# KiCad board Eclipse60.kicad_pcb (continued)
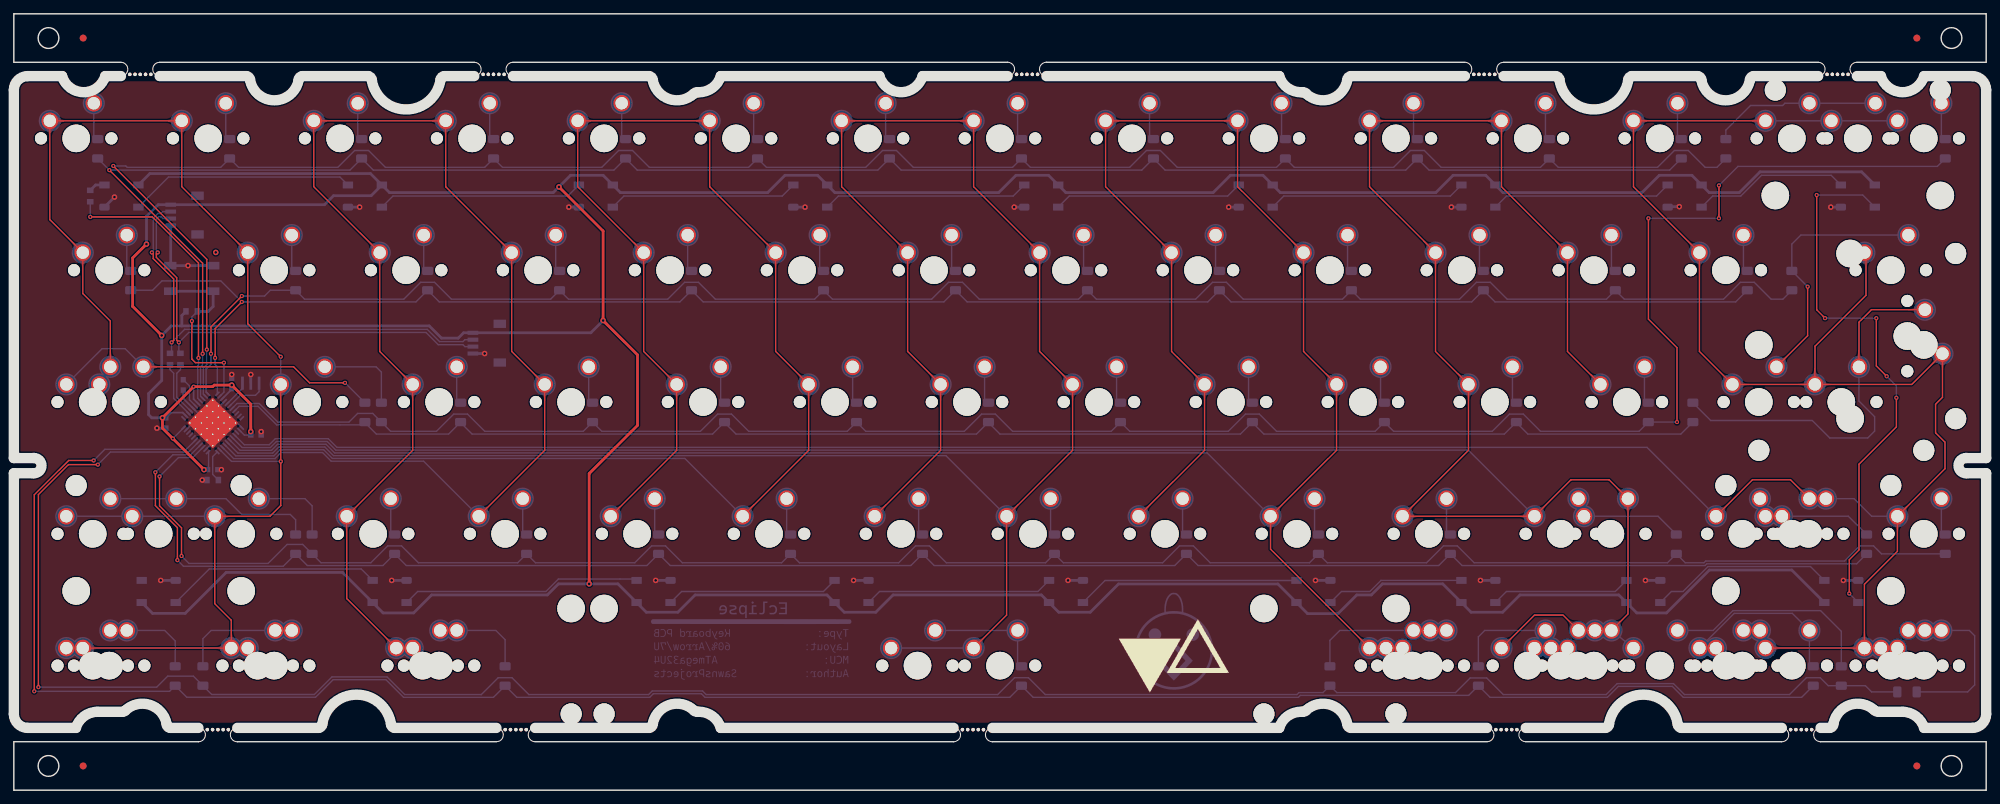
[diagram p0: board, top side]
## Copper pours and planes (outline as drawn; the poured copper is in the pictures) (continued)
Net-(D13-Pad2) on Bottom: 240.24,96.09 240.24,96.23 240.25,96.35 240.26,96.47 240.28,96.58 240.3,96.69 240.33,96.78 240.36,96.87 240.39,96.96 240.43,97.04 240.46,97.11 240.51,97.18 240.55,97.25 240.6,97.32 240.65,97.38 240.7,97.44 240.76,97.5 241.05,97.81 241.11,97.88 241.17,97.95 241.23,98.02 241.29,98.1 241.35,98.18 241.41,98.27 241.47,98.37 241.52,98.47 241.58,98.58 240.14,100.08 238.7,98.58 238.76,98.47 238.81,98.37 238.87,98.27 238.93,98.18 238.99,98.1 239.05,98.02 239.11,97.95 239.17,97.88 239.23,97.81 239.52,97.5 239.58,97.44 239.63,97.38 239.68,97.32 239.73,97.25 239.77,97.18 239.82,97.11 239.85,97.04 239.89,96.96 239.92,96.87 239.95,96.78 239.98,96.69 240,96.58 240.02,96.47 240.03,96.35 240.04,96.23 240.04,96.09
Net-(D13-Pad2) on Bottom: 240.24,96.89 240.24,96.99 240.25,97.09 240.26,97.18 240.27,97.26 240.28,97.34 240.3,97.41 240.32,97.48 240.35,97.54 240.37,97.6 240.4,97.65 240.43,97.71 240.47,97.76 240.5,97.81 240.54,97.86 240.92,98.28 240.96,98.34 241.01,98.4 241.05,98.46 241.09,98.53 241.14,98.6 241.18,98.68 241.22,98.76 240.14,99.88 239.06,98.76 239.1,98.68 239.14,98.6 239.19,98.53 239.23,98.46 239.27,98.4 239.32,98.34 239.36,98.28 239.74,97.86 239.78,97.81 239.81,97.76 239.85,97.71 239.88,97.65 239.91,97.6 239.93,97.54 239.96,97.48 239.98,97.41 240,97.34 240.01,97.26 240.02,97.18 240.03,97.09 240.04,96.99 240.04,96.89
Net-(D14-Pad2) on Bottom: 265.53,99.18 265.66,99.18 265.79,99.17 265.91,99.16 266.02,99.14 266.12,99.12 266.22,99.09 266.31,99.06 266.39,99.03 266.47,98.99 266.55,98.95 266.62,98.91 266.69,98.87 266.75,98.82 266.81,98.77 266.88,98.72 266.94,98.66 267.24,98.37 267.31,98.31 267.38,98.25 267.46,98.19 267.54,98.13 267.62,98.07 267.71,98.01 267.81,97.95 267.91,97.9 268.02,97.84 269.52,99.28 268.02,100.72 267.91,100.66 267.81,100.61 267.71,100.55 267.62,100.49 267.54,100.43 267.46,100.37 267.38,100.31 267.31,100.25 267.24,100.19 266.94,99.9 266.88,99.84 266.81,99.79 266.75,99.74 266.69,99.69 266.62,99.65 266.55,99.6 266.47,99.57 266.39,99.53 266.31,99.5 266.22,99.47 266.12,99.44 266.02,99.42 265.91,99.4 265.79,99.39 265.66,99.38 265.53,99.38
Net-(D14-Pad2) on Bottom: 261.58,99.38 261.48,99.38 261.38,99.39 261.29,99.4 261.21,99.41 261.13,99.42 261.06,99.44 260.99,99.46 260.93,99.49 260.87,99.51 260.82,99.54 260.76,99.57 260.71,99.61 260.66,99.64 260.61,99.68 260.19,100.06 260.13,100.1 260.07,100.15 260.01,100.19 259.94,100.23 259.87,100.28 259.79,100.32 259.71,100.36 258.59,99.28 259.71,98.2 259.79,98.24 259.87,98.28 259.94,98.33 260.01,98.37 260.07,98.41 260.13,98.46 260.19,98.5 260.61,98.88 260.66,98.92 260.71,98.95 260.76,98.99 260.82,99.02 260.87,99.05 260.93,99.07 260.99,99.1 261.06,99.12 261.13,99.14 261.21,99.15 261.29,99.16 261.38,99.17 261.48,99.18 261.58,99.18
Net-(D14-Pad2) on Bottom: 256.8,99.18 256.9,99.18 257,99.17 257.09,99.16 257.17,99.15 257.25,99.14 257.32,99.12 257.39,99.1 257.45,99.07 257.51,99.05 257.56,99.02 257.62,98.99 257.67,98.95 257.72,98.92 257.77,98.88 258.19,98.5 258.25,98.46 258.31,98.41 258.37,98.37 258.44,98.33 258.51,98.28 258.59,98.24 258.67,98.2 259.79,99.28 258.67,100.36 258.59,100.32 258.51,100.28 258.44,100.23 258.37,100.19 258.31,100.15 258.25,100.1 258.19,100.06 257.77,99.68 257.72,99.64 257.67,99.61 257.62,99.57 257.56,99.54 257.51,99.51 257.45,99.49 257.39,99.46 257.32,99.44 257.25,99.42 257.17,99.41 257.09,99.4 257,99.39 256.9,99.38 256.8,99.38
Net-(D14-Pad2) on Bottom: 266.33,99.18 266.43,99.18 266.52,99.17 266.61,99.16 266.69,99.15 266.77,99.14 266.84,99.12 266.91,99.1 266.97,99.07 267.03,99.05 267.09,99.02 267.14,98.99 267.19,98.95 267.24,98.92 267.29,98.88 267.72,98.5 267.77,98.46 267.83,98.41 267.9,98.37 267.96,98.33 268.03,98.28 268.11,98.24 268.19,98.2 269.32,99.28 268.19,100.36 268.11,100.32 268.03,100.28 267.96,100.23 267.9,100.19 267.83,100.15 267.77,100.1 267.72,100.06 267.29,99.68 267.24,99.64 267.19,99.61 267.14,99.57 267.09,99.54 267.03,99.51 266.97,99.49 266.91,99.46 266.84,99.44 266.77,99.42 266.69,99.41 266.61,99.4 266.52,99.39 266.43,99.38 266.33,99.38
Net-(D14-Pad2) on Bottom: 262.38,99.38 262.24,99.38 262.12,99.39 262,99.4 261.89,99.42 261.78,99.44 261.69,99.47 261.6,99.5 261.51,99.53 261.43,99.57 261.36,99.6 261.29,99.65 261.22,99.69 261.15,99.74 261.09,99.79 261.03,99.84 260.97,99.9 260.66,100.19 260.59,100.25 260.52,100.31 260.45,100.37 260.37,100.43 260.28,100.49 260.2,100.55 260.1,100.61 260,100.66 259.89,100.72 258.39,99.28 259.89,97.84 260,97.9 260.1,97.95 260.2,98.01 260.28,98.07 260.37,98.13 260.45,98.19 260.52,98.25 260.59,98.31 260.66,98.37 260.97,98.66 261.03,98.72 261.09,98.77 261.15,98.82 261.22,98.87 261.29,98.91 261.36,98.95 261.43,98.99 261.51,99.03 261.6,99.06 261.69,99.09 261.78,99.12 261.89,99.14 262,99.16 262.12,99.17 262.24,99.18 262.38,99.18
Net-(D14-Pad2) on Bottom: 247.03,95.29 246.59,94.36 247.13,93.8 247.67,94.36 247.23,95.29
Net-(D14-Pad2) on Bottom: 256,99.18 256.14,99.18 256.26,99.17 256.38,99.16 256.49,99.14 256.6,99.12 256.69,99.09 256.78,99.06 256.87,99.03 256.95,98.99 257.02,98.95 257.09,98.91 257.16,98.87 257.23,98.82 257.29,98.77 257.35,98.72 257.41,98.66 257.72,98.37 257.79,98.31 257.86,98.25 257.93,98.19 258.01,98.13 258.1,98.07 258.18,98.01 258.28,97.95 258.38,97.9 258.49,97.84 259.99,99.28 258.49,100.72 258.38,100.66 258.28,100.61 258.18,100.55 258.1,100.49 258.01,100.43 257.93,100.37 257.86,100.31 257.79,100.25 257.72,100.19 257.41,99.9 257.35,99.84 257.29,99.79 257.23,99.74 257.16,99.69 257.09,99.65 257.02,99.6 256.95,99.57 256.87,99.53 256.78,99.5 256.69,99.47 256.6,99.44 256.49,99.42 256.38,99.4 256.26,99.39 256.14,99.38 256,99.38
Net-(D15-Pad2) on Bottom: 278.34,96.89 278.34,96.99 278.35,97.09 278.36,97.18 278.37,97.26 278.38,97.34 278.4,97.41 278.42,97.48 278.45,97.54 278.47,97.6 278.5,97.65 278.53,97.71 278.57,97.76 278.6,97.81 278.64,97.86 279.02,98.28 279.06,98.34 279.11,98.4 279.15,98.46 279.19,98.53 279.24,98.6 279.28,98.68 279.32,98.76 278.24,99.88 277.16,98.76 277.2,98.68 277.24,98.6 277.29,98.53 277.33,98.46 277.37,98.4 277.42,98.34 277.46,98.28 277.84,97.86 277.88,97.81 277.91,97.76 277.95,97.71 277.98,97.65 278.01,97.6 278.03,97.54 278.06,97.48 278.08,97.41 278.1,97.34 278.11,97.26 278.12,97.18 278.13,97.09 278.14,96.99 278.14,96.89
Net-(D15-Pad2) on Bottom: 278.34,96.09 278.34,96.23 278.35,96.35 278.36,96.47 278.38,96.58 278.4,96.69 278.43,96.78 278.46,96.87 278.49,96.96 278.53,97.04 278.56,97.11 278.61,97.18 278.65,97.25 278.7,97.32 278.75,97.38 278.8,97.44 278.86,97.5 279.15,97.81 279.21,97.88 279.27,97.95 279.33,98.02 279.39,98.1 279.45,98.18 279.51,98.27 279.57,98.37 279.62,98.47 279.68,98.58 278.24,100.08 276.8,98.58 276.86,98.47 276.91,98.37 276.97,98.27 277.03,98.18 277.09,98.1 277.15,98.02 277.21,97.95 277.27,97.88 277.33,97.81 277.62,97.5 277.68,97.44 277.73,97.38 277.78,97.32 277.83,97.25 277.87,97.18 277.92,97.11 277.95,97.04 277.99,96.96 278.02,96.87 278.05,96.78 278.08,96.69 278.1,96.58 278.12,96.47 278.13,96.35 278.14,96.23 278.14,96.09
Net-(D16-Pad2) on Bottom: 199.25,22.98 199.37,22.98 199.48,22.97 199.58,22.96 199.68,22.95 199.77,22.93 199.86,22.91 199.93,22.88 200.01,22.85 200.08,22.82 200.14,22.79 200.21,22.75 200.27,22.71 200.32,22.67 200.38,22.63 200.43,22.58 200.81,22.23 200.88,22.18 200.94,22.12 201.01,22.07 201.08,22.02 201.16,21.97 201.24,21.92 201.33,21.87 201.43,21.82 202.74,23.08 201.43,24.34 201.33,24.29 201.24,24.24 201.16,24.19 201.08,24.14 201.01,24.09 200.94,24.03 200.88,23.98 200.81,23.93 200.43,23.58 200.38,23.53 200.32,23.49 200.27,23.45 200.21,23.41 200.14,23.37 200.08,23.34 200.01,23.31 199.93,23.28 199.86,23.25 199.77,23.23 199.68,23.21 199.58,23.2 199.48,23.19 199.37,23.18 199.25,23.18
Net-(D16-Pad2) on Bottom: 199.65,22.98 199.75,22.98 199.85,22.97 199.94,22.96 200.02,22.95 200.1,22.94 200.17,22.92 200.24,22.9 200.3,22.87 200.36,22.85 200.41,22.82 200.47,22.79 200.52,22.75 200.57,22.72 200.62,22.68 201.04,22.3 201.1,22.26 201.16,22.21 201.22,22.17 201.29,22.13 201.36,22.08 201.44,22.04 201.52,22 202.64,23.08 201.52,24.16 201.44,24.12 201.36,24.08 201.29,24.03 201.22,23.99 201.16,23.95 201.1,23.9 201.04,23.86 200.62,23.48 200.57,23.44 200.52,23.41 200.47,23.37 200.41,23.34 200.36,23.31 200.3,23.29 200.24,23.26 200.17,23.24 200.1,23.22 200.02,23.21 199.94,23.2 199.85,23.19 199.75,23.18 199.65,23.18
Net-(D16-Pad2) on Bottom: 189.88,19.09 189.44,18.16 189.98,17.6 190.52,18.16 190.08,19.09
Net-(D17-Pad2) on Bottom: 16.4,77.84 16.4,77.94 16.41,78.04 16.42,78.13 16.43,78.21 16.45,78.29 16.47,78.36 16.49,78.43 16.51,78.49 16.54,78.55 16.57,78.6 16.6,78.66 16.63,78.71 16.66,78.76 16.7,78.81 17.08,79.23 17.12,79.29 17.17,79.35 17.21,79.41 17.26,79.48 17.3,79.55 17.34,79.63 17.38,79.71 16.3,80.83 15.22,79.71 15.26,79.63 15.31,79.55 15.35,79.48 15.39,79.41 15.44,79.35 15.48,79.29 15.53,79.23 15.9,78.81 15.94,78.76 15.98,78.71 16.01,78.66 16.04,78.6 16.07,78.55 16.09,78.49 16.12,78.43 16.14,78.36 16.16,78.29 16.17,78.21 16.19,78.13 16.2,78.04 16.2,77.94 16.2,77.84
Net-(D17-Pad2) on Bottom: 16.4,77.04 16.41,77.18 16.41,77.3 16.43,77.42 16.44,77.53 16.46,77.64 16.49,77.73 16.52,77.82 16.55,77.91 16.59,77.99 16.63,78.06 16.67,78.13 16.72,78.2 16.76,78.27 16.81,78.33 16.87,78.39 16.92,78.45 17.21,78.76 17.27,78.83 17.33,78.9 17.39,78.97 17.45,79.05 17.51,79.13 17.57,79.22 17.63,79.32 17.69,79.42 17.74,79.53 16.3,81.03 14.86,79.53 14.92,79.42 14.98,79.32 15.03,79.22 15.09,79.13 15.15,79.05 15.21,78.97 15.27,78.9 15.33,78.83 15.39,78.76 15.69,78.45 15.74,78.39 15.79,78.33 15.84,78.27 15.89,78.2 15.93,78.13 15.98,78.06 16.02,77.99 16.05,77.91 16.09,77.82 16.12,77.73 16.14,77.64 16.16,77.53 16.18,77.42 16.19,77.3 16.2,77.18 16.2,77.04
Net-(D18-Pad2) on Bottom: 40.22,77.04 40.22,77.18 40.23,77.3 40.24,77.42 40.25,77.53 40.28,77.64 40.3,77.73 40.33,77.82 40.36,77.91 40.4,77.99 40.44,78.06 40.48,78.13 40.53,78.2 40.58,78.27 40.63,78.33 40.68,78.39 40.73,78.45 41.02,78.76 41.08,78.83 41.14,78.9 41.2,78.97 41.26,79.05 41.32,79.13 41.38,79.22 41.44,79.32 41.5,79.42 41.56,79.53 40.12,81.03 38.68,79.53 38.73,79.42 38.79,79.32 38.85,79.22 38.91,79.13 38.97,79.05 39.03,78.97 39.09,78.9 39.15,78.83 39.21,78.76 39.5,78.45 39.55,78.39 39.6,78.33 39.65,78.27 39.7,78.2 39.75,78.13 39.79,78.06 39.83,77.99 39.87,77.91 39.9,77.82 39.93,77.73 39.95,77.64 39.98,77.53 39.99,77.42 40,77.3 40.01,77.18 40.02,77.04
Net-(D18-Pad2) on Bottom: 40.22,77.84 40.22,77.94 40.22,78.04 40.23,78.13 40.24,78.21 40.26,78.29 40.28,78.36 40.3,78.43 40.32,78.49 40.35,78.55 40.38,78.6 40.41,78.66 40.44,78.71 40.48,78.76 40.51,78.81 40.89,79.23 40.94,79.29 40.98,79.35 41.02,79.41 41.07,79.48 41.11,79.55 41.15,79.63 41.2,79.71 40.12,80.83 39.04,79.71 39.08,79.63 39.12,79.55 39.16,79.48 39.21,79.41 39.25,79.35 39.29,79.29 39.34,79.23 39.72,78.81 39.75,78.76 39.79,78.71 39.82,78.66 39.85,78.6 39.88,78.55 39.91,78.49 39.93,78.43 39.95,78.36 39.97,78.29 39.99,78.21 40,78.13 40.01,78.04 40.01,77.94 40.02,77.84
Net-(D19-Pad2) on Bottom: 59.27,77.84 59.27,77.94 59.27,78.04 59.28,78.13 59.29,78.21 59.31,78.29 59.33,78.36 59.35,78.43 59.37,78.49 59.4,78.55 59.43,78.6 59.46,78.66 59.49,78.71 59.53,78.76 59.56,78.81 59.94,79.23 59.99,79.29 60.03,79.35 60.07,79.41 60.12,79.48 60.16,79.55 60.2,79.63 60.25,79.71 59.17,80.83 58.09,79.71 58.13,79.63 58.17,79.55 58.21,79.48 58.26,79.41 58.3,79.35 58.34,79.29 58.39,79.23 58.77,78.81 58.8,78.76 58.84,78.71 58.87,78.66 58.9,78.6 58.93,78.55 58.96,78.49 58.98,78.43 59,78.36 59.02,78.29 59.04,78.21 59.05,78.13 59.06,78.04 59.06,77.94 59.07,77.84
Net-(D19-Pad2) on Bottom: 59.27,77.04 59.27,77.18 59.28,77.3 59.29,77.42 59.3,77.53 59.33,77.64 59.35,77.73 59.38,77.82 59.41,77.91 59.45,77.99 59.49,78.06 59.53,78.13 59.58,78.2 59.63,78.27 59.68,78.33 59.73,78.39 59.78,78.45 60.07,78.76 60.13,78.83 60.19,78.9 60.25,78.97 60.31,79.05 60.37,79.13 60.43,79.22 60.49,79.32 60.55,79.42 60.61,79.53 59.17,81.03 57.73,79.53 57.78,79.42 57.84,79.32 57.9,79.22 57.96,79.13 58.02,79.05 58.08,78.97 58.14,78.9 58.2,78.83 58.26,78.76 58.55,78.45 58.6,78.39 58.65,78.33 58.7,78.27 58.75,78.2 58.8,78.13 58.84,78.06 58.88,77.99 58.92,77.91 58.95,77.82 58.98,77.73 59,77.64 59.03,77.53 59.04,77.42 59.05,77.3 59.06,77.18 59.07,77.04
Net-(D20-Pad2) on Bottom: 78.32,77.04 78.32,77.18 78.33,77.3 78.34,77.42 78.35,77.53 78.38,77.64 78.4,77.73 78.43,77.82 78.46,77.91 78.5,77.99 78.54,78.06 78.58,78.13 78.63,78.2 78.68,78.27 78.73,78.33 78.78,78.39 78.83,78.45 79.12,78.76 79.18,78.83 79.24,78.9 79.3,78.97 79.36,79.05 79.42,79.13 79.48,79.22 79.54,79.32 79.6,79.42 79.66,79.53 78.22,81.03 76.78,79.53 76.83,79.42 76.89,79.32 76.95,79.22 77.01,79.13 77.07,79.05 77.13,78.97 77.19,78.9 77.25,78.83 77.31,78.76 77.6,78.45 77.65,78.39 77.7,78.33 77.75,78.27 77.8,78.2 77.85,78.13 77.89,78.06 77.93,77.99 77.97,77.91 78,77.82 78.03,77.73 78.05,77.64 78.08,77.53 78.09,77.42 78.1,77.3 78.11,77.18 78.12,77.04
Net-(D20-Pad2) on Bottom: 78.32,77.84 78.32,77.94 78.32,78.04 78.33,78.13 78.34,78.21 78.36,78.29 78.38,78.36 78.4,78.43 78.42,78.49 78.45,78.55 78.48,78.6 78.51,78.66 78.54,78.71 78.58,78.76 78.61,78.81 78.99,79.23 79.04,79.29 79.08,79.35 79.12,79.41 79.17,79.48 79.21,79.55 79.25,79.63 79.3,79.71 78.22,80.83 77.14,79.71 77.18,79.63 77.22,79.55 77.26,79.48 77.31,79.41 77.35,79.35 77.39,79.29 77.44,79.23 77.82,78.81 77.85,78.76 77.89,78.71 77.92,78.66 77.95,78.6 77.98,78.55 78.01,78.49 78.03,78.43 78.05,78.36 78.07,78.29 78.09,78.21 78.1,78.13 78.11,78.04 78.11,77.94 78.12,77.84
Net-(D21-Pad2) on Bottom: 97.37,77.04 97.37,77.18 97.38,77.3 97.39,77.42 97.4,77.53 97.43,77.64 97.45,77.73 97.48,77.82 97.51,77.91 97.55,77.99 97.59,78.06 97.63,78.13 97.68,78.2 97.73,78.27 97.78,78.33 97.83,78.39 97.88,78.45 98.17,78.76 98.23,78.83 98.29,78.9 98.35,78.97 98.41,79.05 98.47,79.13 98.53,79.22 98.59,79.32 98.65,79.42 98.71,79.53 97.27,81.03 95.83,79.53 95.88,79.42 95.94,79.32 96,79.22 96.06,79.13 96.12,79.05 96.18,78.97 96.24,78.9 96.3,78.83 96.36,78.76 96.65,78.45 96.7,78.39 96.75,78.33 96.8,78.27 96.85,78.2 96.9,78.13 96.94,78.06 96.98,77.99 97.02,77.91 97.05,77.82 97.08,77.73 97.1,77.64 97.13,77.53 97.14,77.42 97.15,77.3 97.16,77.18 97.17,77.04
Net-(D21-Pad2) on Bottom: 97.37,77.84 97.37,77.94 97.37,78.04 97.38,78.13 97.39,78.21 97.41,78.29 97.43,78.36 97.45,78.43 97.47,78.49 97.5,78.55 97.53,78.6 97.56,78.66 97.59,78.71 97.63,78.76 97.66,78.81 98.04,79.23 98.09,79.29 98.13,79.35 98.17,79.41 98.22,79.48 98.26,79.55 98.3,79.63 98.35,79.71 97.27,80.83 96.19,79.71 96.23,79.63 96.27,79.55 96.31,79.48 96.36,79.41 96.4,79.35 96.44,79.29 96.49,79.23 96.87,78.81 96.9,78.76 96.94,78.71 96.97,78.66 97,78.6 97.03,78.55 97.06,78.49 97.08,78.43 97.1,78.36 97.12,78.29 97.14,78.21 97.15,78.13 97.16,78.04 97.16,77.94 97.17,77.84
Net-(D22-Pad2) on Bottom: 116.42,77.84 116.42,77.94 116.42,78.04 116.43,78.13 116.44,78.21 116.46,78.29 116.48,78.36 116.5,78.43 116.52,78.49 116.55,78.55 116.58,78.6 116.61,78.66 116.64,78.71 116.68,78.76 116.71,78.81 117.09,79.23 117.14,79.29 117.18,79.35 117.22,79.41 117.27,79.48 117.31,79.55 117.35,79.63 117.4,79.71 116.32,80.83 115.24,79.71 115.28,79.63 115.32,79.55 115.36,79.48 115.41,79.41 115.45,79.35 115.49,79.29 115.54,79.23 115.92,78.81 115.95,78.76 115.99,78.71 116.02,78.66 116.05,78.6 116.08,78.55 116.11,78.49 116.13,78.43 116.15,78.36 116.17,78.29 116.19,78.21 116.2,78.13 116.21,78.04 116.21,77.94 116.22,77.84
Net-(D22-Pad2) on Bottom: 116.42,77.04 116.42,77.18 116.43,77.3 116.44,77.42 116.45,77.53 116.48,77.64 116.5,77.73 116.53,77.82 116.56,77.91 116.6,77.99 116.64,78.06 116.68,78.13 116.73,78.2 116.78,78.27 116.83,78.33 116.88,78.39 116.93,78.45 117.22,78.76 117.28,78.83 117.34,78.9 117.4,78.97 117.46,79.05 117.52,79.13 117.58,79.22 117.64,79.32 117.7,79.42 117.76,79.53 116.32,81.03 114.88,79.53 114.93,79.42 114.99,79.32 115.05,79.22 115.11,79.13 115.17,79.05 115.23,78.97 115.29,78.9 115.35,78.83 115.41,78.76 115.7,78.45 115.75,78.39 115.8,78.33 115.85,78.27 115.9,78.2 115.95,78.13 115.99,78.06 116.03,77.99 116.07,77.91 116.1,77.82 116.13,77.73 116.15,77.64 116.18,77.53 116.19,77.42 116.2,77.3 116.21,77.18 116.22,77.04
Net-(D23-Pad2) on Bottom: 135.47,77.84 135.47,77.94 135.47,78.04 135.48,78.13 135.49,78.21 135.51,78.29 135.53,78.36 135.55,78.43 135.57,78.49 135.6,78.55 135.63,78.6 135.66,78.66 135.69,78.71 135.73,78.76 135.76,78.81 136.14,79.23 136.19,79.29 136.23,79.35 136.27,79.41 136.32,79.48 136.36,79.55 136.4,79.63 136.45,79.71 135.37,80.83 134.29,79.71 134.33,79.63 134.37,79.55 134.41,79.48 134.46,79.41 134.5,79.35 134.54,79.29 134.59,79.23 134.97,78.81 135,78.76 135.04,78.71 135.07,78.66 135.1,78.6 135.13,78.55 135.16,78.49 135.18,78.43 135.2,78.36 135.22,78.29 135.24,78.21 135.25,78.13 135.26,78.04 135.26,77.94 135.27,77.84
Net-(D23-Pad2) on Bottom: 135.47,77.04 135.47,77.18 135.48,77.3 135.49,77.42 135.5,77.53 135.53,77.64 135.55,77.73 135.58,77.82 135.61,77.91 135.65,77.99 135.69,78.06 135.73,78.13 135.78,78.2 135.83,78.27 135.88,78.33 135.93,78.39 135.98,78.45 136.27,78.76 136.33,78.83 136.39,78.9 136.45,78.97 136.51,79.05 136.57,79.13 136.63,79.22 136.69,79.32 136.75,79.42 136.81,79.53 135.37,81.03 133.93,79.53 133.98,79.42 134.04,79.32 134.1,79.22 134.16,79.13 134.22,79.05 134.28,78.97 134.34,78.9 134.4,78.83 134.46,78.76 134.75,78.45 134.8,78.39 134.85,78.33 134.9,78.27 134.95,78.2 135,78.13 135.04,78.06 135.08,77.99 135.12,77.91 135.15,77.82 135.18,77.73 135.2,77.64 135.23,77.53 135.24,77.42 135.25,77.3 135.26,77.18 135.27,77.04
Net-(D24-Pad2) on Bottom: 154.52,77.04 154.52,77.18 154.53,77.3 154.54,77.42 154.55,77.53 154.58,77.64 154.6,77.73 154.63,77.82 154.66,77.91 154.7,77.99 154.74,78.06 154.78,78.13 154.83,78.2 154.88,78.27 154.93,78.33 154.98,78.39 155.03,78.45 155.32,78.76 155.38,78.83 155.44,78.9 155.5,78.97 155.56,79.05 155.62,79.13 155.68,79.22 155.74,79.32 155.8,79.42 155.86,79.53 154.42,81.03 152.98,79.53 153.03,79.42 153.09,79.32 153.15,79.22 153.21,79.13 153.27,79.05 153.33,78.97 153.39,78.9 153.45,78.83 153.51,78.76 153.8,78.45 153.85,78.39 153.9,78.33 153.95,78.27 154,78.2 154.05,78.13 154.09,78.06 154.13,77.99 154.17,77.91 154.2,77.82 154.23,77.73 154.25,77.64 154.28,77.53 154.29,77.42 154.3,77.3 154.31,77.18 154.32,77.04
Net-(D24-Pad2) on Bottom: 154.52,77.84 154.52,77.94 154.52,78.04 154.53,78.13 154.54,78.21 154.56,78.29 154.58,78.36 154.6,78.43 154.62,78.49 154.65,78.55 154.68,78.6 154.71,78.66 154.74,78.71 154.78,78.76 154.81,78.81 155.19,79.23 155.24,79.29 155.28,79.35 155.32,79.41 155.37,79.48 155.41,79.55 155.45,79.63 155.5,79.71 154.42,80.83 153.34,79.71 153.38,79.63 153.42,79.55 153.46,79.48 153.51,79.41 153.55,79.35 153.59,79.29 153.64,79.23 154.02,78.81 154.05,78.76 154.09,78.71 154.12,78.66 154.15,78.6 154.18,78.55 154.21,78.49 154.23,78.43 154.25,78.36 154.27,78.29 154.29,78.21 154.3,78.13 154.31,78.04 154.31,77.94 154.32,77.84
Net-(D25-Pad2) on Bottom: 173.57,77.04 173.57,77.18 173.58,77.3 173.59,77.42 173.6,77.53 173.63,77.64 173.65,77.73 173.68,77.82 173.71,77.91 173.75,77.99 173.79,78.06 173.83,78.13 173.88,78.2 173.93,78.27 173.98,78.33 174.03,78.39 174.08,78.45 174.37,78.76 174.43,78.83 174.49,78.9 174.55,78.97 174.61,79.05 174.67,79.13 174.73,79.22 174.79,79.32 174.85,79.42 174.91,79.53 173.47,81.03 172.03,79.53 172.08,79.42 172.14,79.32 172.2,79.22 172.26,79.13 172.32,79.05 172.38,78.97 172.44,78.9 172.5,78.83 172.56,78.76 172.85,78.45 172.9,78.39 172.95,78.33 173,78.27 173.05,78.2 173.1,78.13 173.14,78.06 173.18,77.99 173.22,77.91 173.25,77.82 173.28,77.73 173.3,77.64 173.33,77.53 173.34,77.42 173.35,77.3 173.36,77.18 173.37,77.04
Net-(D25-Pad2) on Bottom: 173.57,77.84 173.57,77.94 173.57,78.04 173.58,78.13 173.59,78.21 173.61,78.29 173.63,78.36 173.65,78.43 173.67,78.49 173.7,78.55 173.73,78.6 173.76,78.66 173.79,78.71 173.83,78.76 173.86,78.81 174.24,79.23 174.29,79.29 174.33,79.35 174.37,79.41 174.42,79.48 174.46,79.55 174.5,79.63 174.55,79.71 173.47,80.83 172.39,79.71 172.43,79.63 172.47,79.55 172.51,79.48 172.56,79.41 172.6,79.35 172.64,79.29 172.69,79.23 173.07,78.81 173.1,78.76 173.14,78.71 173.17,78.66 173.2,78.6 173.23,78.55 173.26,78.49 173.28,78.43 173.3,78.36 173.32,78.29 173.34,78.21 173.35,78.13 173.36,78.04 173.36,77.94 173.37,77.84
Net-(D26-Pad2) on Bottom: 192.62,77.04 192.62,77.18 192.63,77.3 192.64,77.42 192.65,77.53 192.68,77.64 192.7,77.73 192.73,77.82 192.76,77.91 192.8,77.99 192.84,78.06 192.88,78.13 192.93,78.2 192.98,78.27 193.03,78.33 193.08,78.39 193.13,78.45 193.42,78.76 193.48,78.83 193.54,78.9 193.6,78.97 193.66,79.05 193.72,79.13 193.78,79.22 193.84,79.32 193.9,79.42 193.96,79.53 192.52,81.03 191.08,79.53 191.13,79.42 191.19,79.32 191.25,79.22 191.31,79.13 191.37,79.05 191.43,78.97 191.49,78.9 191.55,78.83 191.61,78.76 191.9,78.45 191.95,78.39 192,78.33 192.05,78.27 192.1,78.2 192.15,78.13 192.19,78.06 192.23,77.99 192.27,77.91 192.3,77.82 192.33,77.73 192.35,77.64 192.38,77.53 192.39,77.42 192.4,77.3 192.41,77.18 192.42,77.04
Net-(D26-Pad2) on Bottom: 192.62,77.84 192.62,77.94 192.62,78.04 192.63,78.13 192.64,78.21 192.66,78.29 192.68,78.36 192.7,78.43 192.72,78.49 192.75,78.55 192.78,78.6 192.81,78.66 192.84,78.71 192.88,78.76 192.91,78.81 193.29,79.23 193.34,79.29 193.38,79.35 193.42,79.41 193.47,79.48 193.51,79.55 193.55,79.63 193.6,79.71 192.52,80.83 191.44,79.71 191.48,79.63 191.52,79.55 191.56,79.48 191.61,79.41 191.65,79.35 191.69,79.29 191.74,79.23 192.12,78.81 192.15,78.76 192.19,78.71 192.22,78.66 192.25,78.6 192.28,78.55 192.31,78.49 192.33,78.43 192.35,78.36 192.37,78.29 192.39,78.21 192.4,78.13 192.41,78.04 192.41,77.94 192.42,77.84
Net-(D27-Pad2) on Bottom: 211.67,77.84 211.67,77.94 211.67,78.04 211.68,78.13 211.69,78.21 211.71,78.29 211.73,78.36 211.75,78.43 211.77,78.49 211.8,78.55 211.83,78.6 211.86,78.66 211.89,78.71 211.93,78.76 211.96,78.81 212.34,79.23 212.39,79.29 212.43,79.35 212.47,79.41 212.52,79.48 212.56,79.55 212.6,79.63 212.65,79.71 211.57,80.83 210.49,79.71 210.53,79.63 210.57,79.55 210.61,79.48 210.66,79.41 210.7,79.35 210.74,79.29 210.79,79.23 211.17,78.81 211.2,78.76 211.24,78.71 211.27,78.66 211.3,78.6 211.33,78.55 211.36,78.49 211.38,78.43 211.4,78.36 211.42,78.29 211.44,78.21 211.45,78.13 211.46,78.04 211.46,77.94 211.47,77.84
Net-(D27-Pad2) on Bottom: 211.67,77.04 211.67,77.18 211.68,77.3 211.69,77.42 211.7,77.53 211.73,77.64 211.75,77.73 211.78,77.82 211.81,77.91 211.85,77.99 211.89,78.06 211.93,78.13 211.98,78.2 212.03,78.27 212.08,78.33 212.13,78.39 212.18,78.45 212.47,78.76 212.53,78.83 212.59,78.9 212.65,78.97 212.71,79.05 212.77,79.13 212.83,79.22 212.89,79.32 212.95,79.42 213.01,79.53 211.57,81.03 210.13,79.53 210.18,79.42 210.24,79.32 210.3,79.22 210.36,79.13 210.42,79.05 210.48,78.97 210.54,78.9 210.6,78.83 210.66,78.76 210.95,78.45 211,78.39 211.05,78.33 211.1,78.27 211.15,78.2 211.2,78.13 211.24,78.06 211.28,77.99 211.32,77.91 211.35,77.82 211.38,77.73 211.4,77.64 211.43,77.53 211.44,77.42 211.45,77.3 211.46,77.18 211.47,77.04
Net-(D28-Pad2) on Bottom: 230.72,77.84 230.72,77.94 230.72,78.04 230.73,78.13 230.74,78.21 230.76,78.29 230.78,78.36 230.8,78.43 230.82,78.49 230.85,78.55 230.88,78.6 230.91,78.66 230.94,78.71 230.98,78.76 231.01,78.81 231.39,79.23 231.44,79.29 231.48,79.35 231.52,79.41 231.57,79.48 231.61,79.55 231.65,79.63 231.7,79.71 230.62,80.83 229.54,79.71 229.58,79.63 229.62,79.55 229.66,79.48 229.71,79.41 229.75,79.35 229.79,79.29 229.84,79.23 230.22,78.81 230.25,78.76 230.29,78.71 230.32,78.66 230.35,78.6 230.38,78.55 230.41,78.49 230.43,78.43 230.45,78.36 230.47,78.29 230.49,78.21 230.5,78.13 230.51,78.04 230.51,77.94 230.52,77.84
Net-(D28-Pad2) on Bottom: 230.72,77.04 230.72,77.18 230.73,77.3 230.74,77.42 230.75,77.53 230.78,77.64 230.8,77.73 230.83,77.82 230.86,77.91 230.9,77.99 230.94,78.06 230.98,78.13 231.03,78.2 231.08,78.27 231.13,78.33 231.18,78.39 231.23,78.45 231.52,78.76 231.58,78.83 231.64,78.9 231.7,78.97 231.76,79.05 231.82,79.13 231.88,79.22 231.94,79.32 232,79.42 232.06,79.53 230.62,81.03 229.18,79.53 229.23,79.42 229.29,79.32 229.35,79.22 229.41,79.13 229.47,79.05 229.53,78.97 229.59,78.9 229.65,78.83 229.71,78.76 230,78.45 230.05,78.39 230.1,78.33 230.15,78.27 230.2,78.2 230.25,78.13 230.29,78.06 230.33,77.99 230.37,77.91 230.4,77.82 230.43,77.73 230.45,77.64 230.48,77.53 230.49,77.42 230.5,77.3 230.51,77.18 230.52,77.04
Net-(D29-Pad2) on Bottom: 249.77,77.84 249.77,77.94 249.77,78.04 249.78,78.13 249.79,78.21 249.81,78.29 249.83,78.36 249.85,78.43 249.87,78.49 249.9,78.55 249.93,78.6 249.96,78.66 249.99,78.71 250.03,78.76 250.06,78.81 250.44,79.23 250.49,79.29 250.53,79.35 250.57,79.41 250.62,79.48 250.66,79.55 250.7,79.63 250.75,79.71 249.67,80.83 248.59,79.71 248.63,79.63 248.67,79.55 248.71,79.48 248.76,79.41 248.8,79.35 248.84,79.29 248.89,79.23 249.27,78.81 249.3,78.76 249.34,78.71 249.37,78.66 249.4,78.6 249.43,78.55 249.46,78.49 249.48,78.43 249.5,78.36 249.52,78.29 249.54,78.21 249.55,78.13 249.56,78.04 249.56,77.94 249.57,77.84
Net-(D29-Pad2) on Bottom: 249.77,77.04 249.77,77.18 249.78,77.3 249.79,77.42 249.8,77.53 249.83,77.64 249.85,77.73 249.88,77.82 249.91,77.91 249.95,77.99 249.99,78.06 250.03,78.13 250.08,78.2 250.13,78.27 250.18,78.33 250.23,78.39 250.28,78.45 250.57,78.76 250.63,78.83 250.69,78.9 250.75,78.97 250.81,79.05 250.87,79.13 250.93,79.22 250.99,79.32 251.05,79.42 251.11,79.53 249.67,81.03 248.23,79.53 248.28,79.42 248.34,79.32 248.4,79.22 248.46,79.13 248.52,79.05 248.58,78.97 248.64,78.9 248.7,78.83 248.76,78.76 249.05,78.45 249.1,78.39 249.15,78.33 249.2,78.27 249.25,78.2 249.3,78.13 249.34,78.06 249.38,77.99 249.42,77.91 249.45,77.82 249.48,77.73 249.5,77.64 249.53,77.53 249.54,77.42 249.55,77.3 249.56,77.18 249.57,77.04
Net-(D30-Pad2) on Top: 256.05,62.94 255.97,62.87 255.9,62.81 255.83,62.75 255.77,62.7 255.7,62.66 255.64,62.62 255.57,62.59 255.51,62.56 255.45,62.53 255.39,62.52 255.33,62.5 255.27,62.49 255.21,62.48 255.15,62.47 254.58,62.43 254.51,62.43 254.44,62.42 254.36,62.4 254.29,62.39 254.2,62.37 254.12,62.34 254.03,62.31 254,60.76 255.56,60.79 255.59,60.87 255.61,60.96 255.63,61.04 255.65,61.12 255.66,61.19 255.67,61.26 255.68,61.34 255.72,61.91 255.72,61.96 255.73,62.02 255.75,62.08 255.76,62.14 255.78,62.2 255.81,62.26 255.83,62.33 255.87,62.39 255.9,62.45 255.95,62.52 256,62.59 256.05,62.65 256.12,62.73 256.19,62.8
